# Altium PCB openmv2025.PcbDoc
Units mm, origin at the board's own origin, x right, y up, seen from the top; angles counter-clockwise.
Board outline 130 x 110.34 mm, 2 copper layers (Top Layer, Bottom Layer); 110 components, 172 nets, 438 pads, 182 vias.
Unrouted connection lines stored in the file: 1.
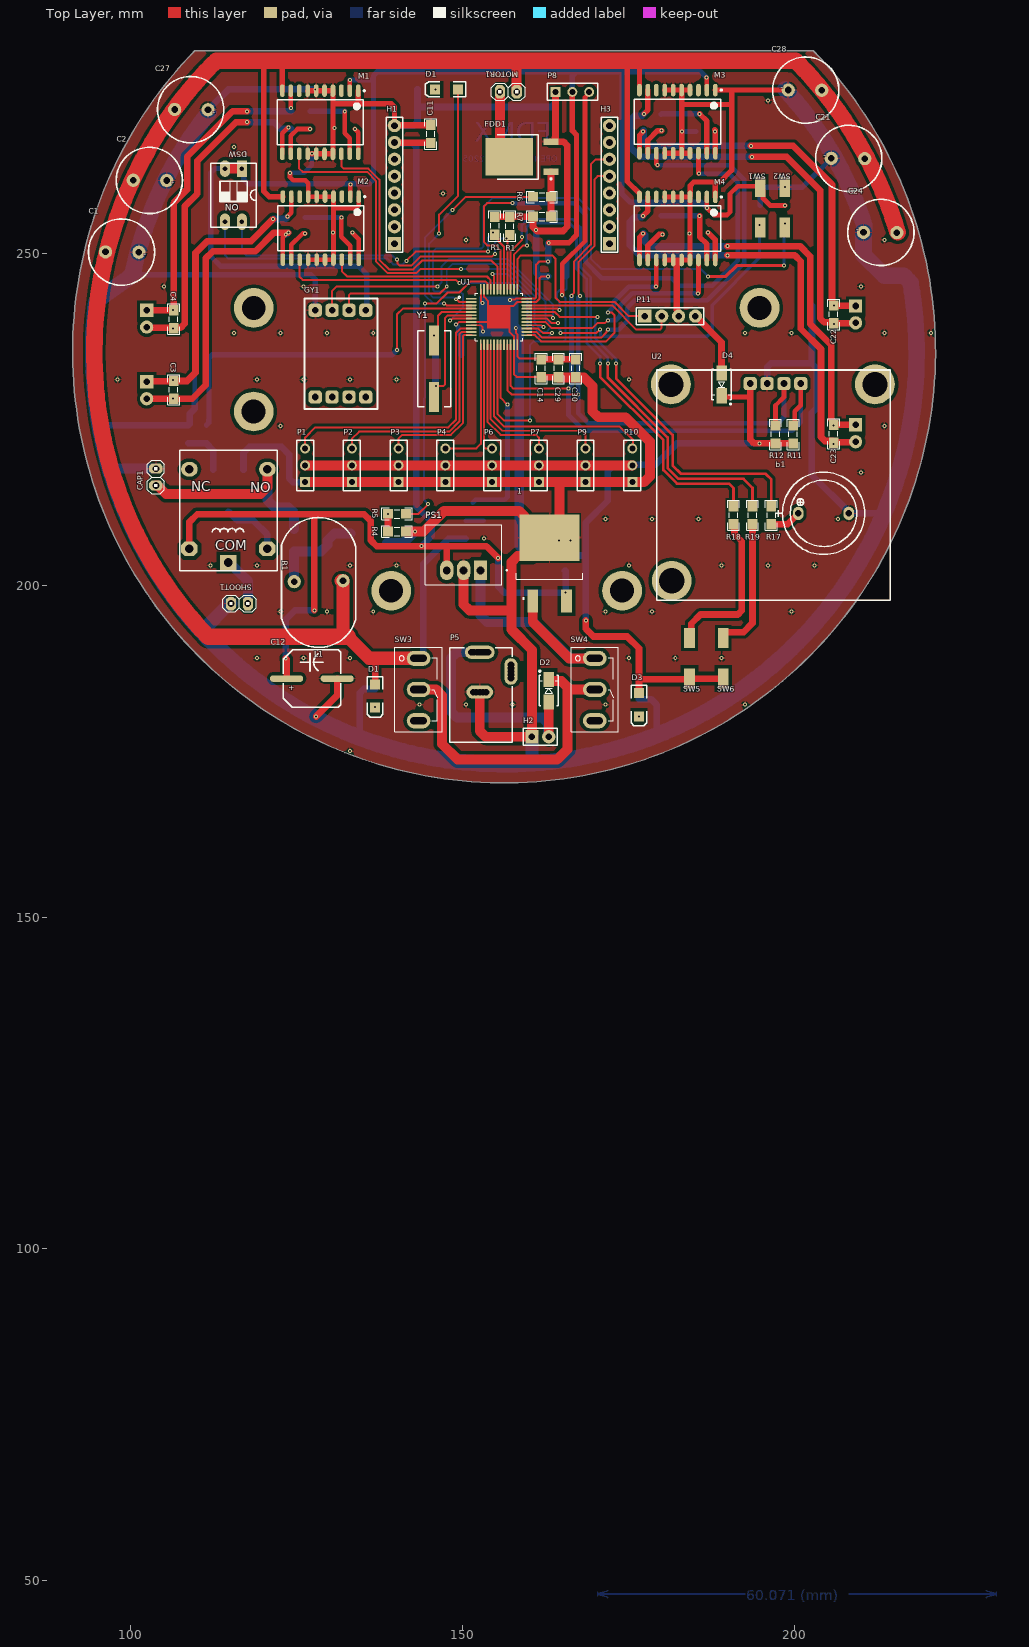
[diagram p0: Top Layer view]
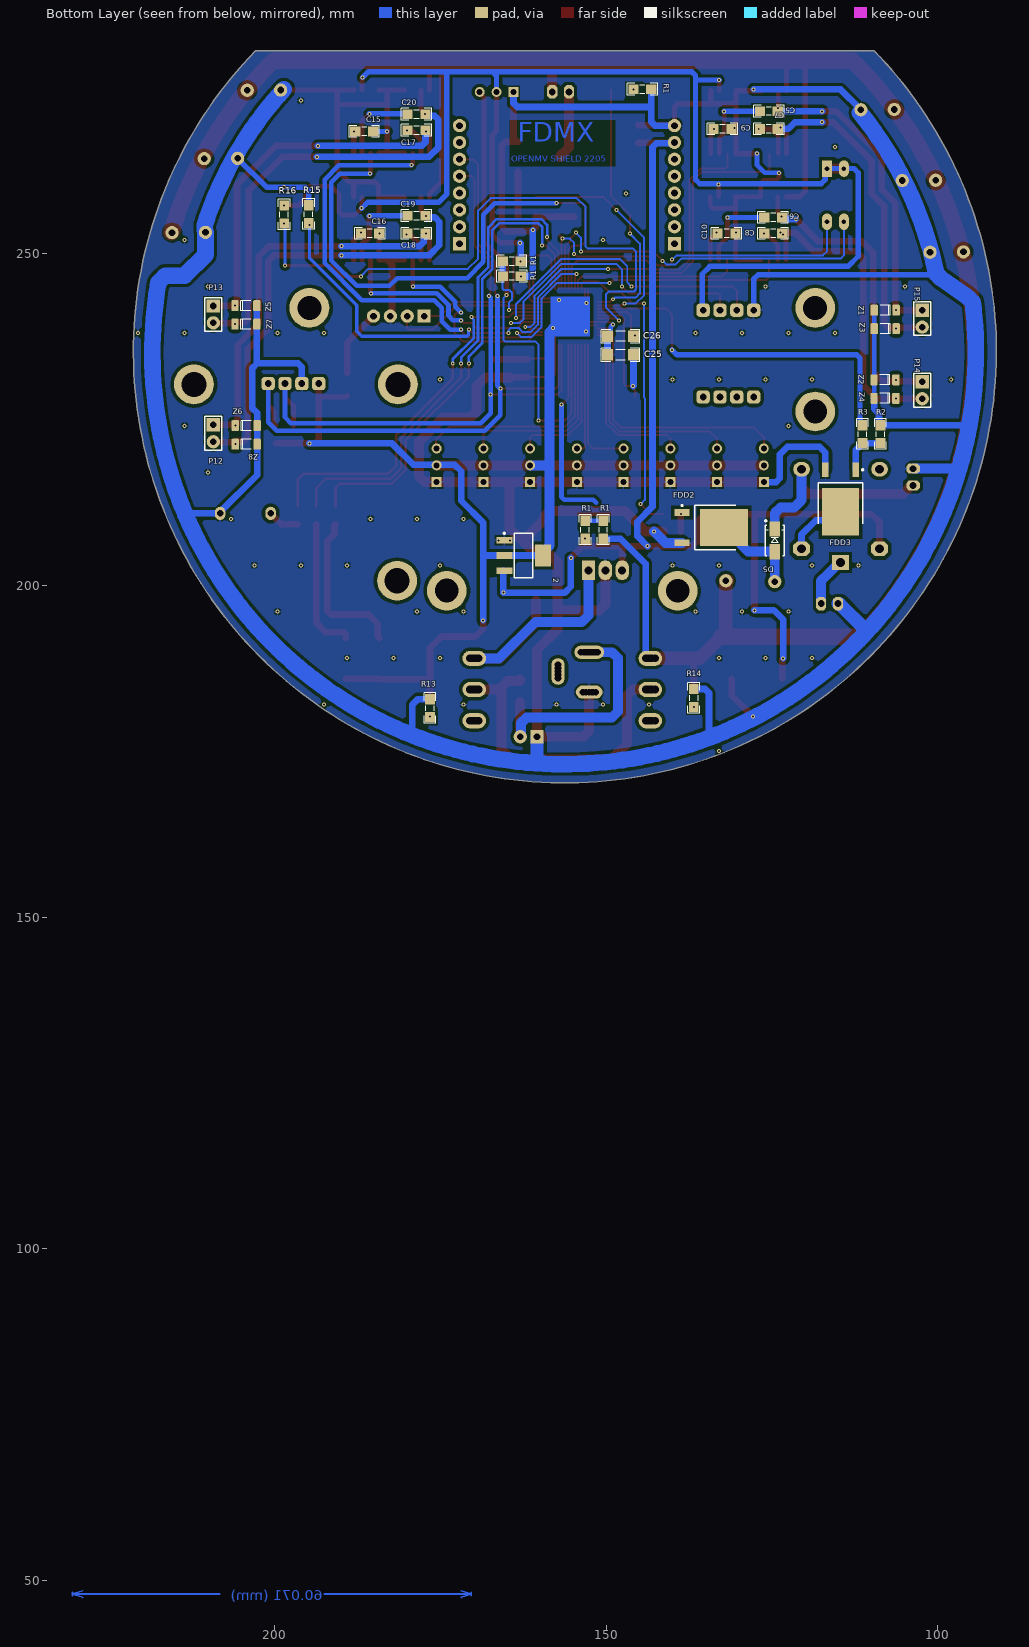
[diagram p1: Bottom Layer view, seen from below]
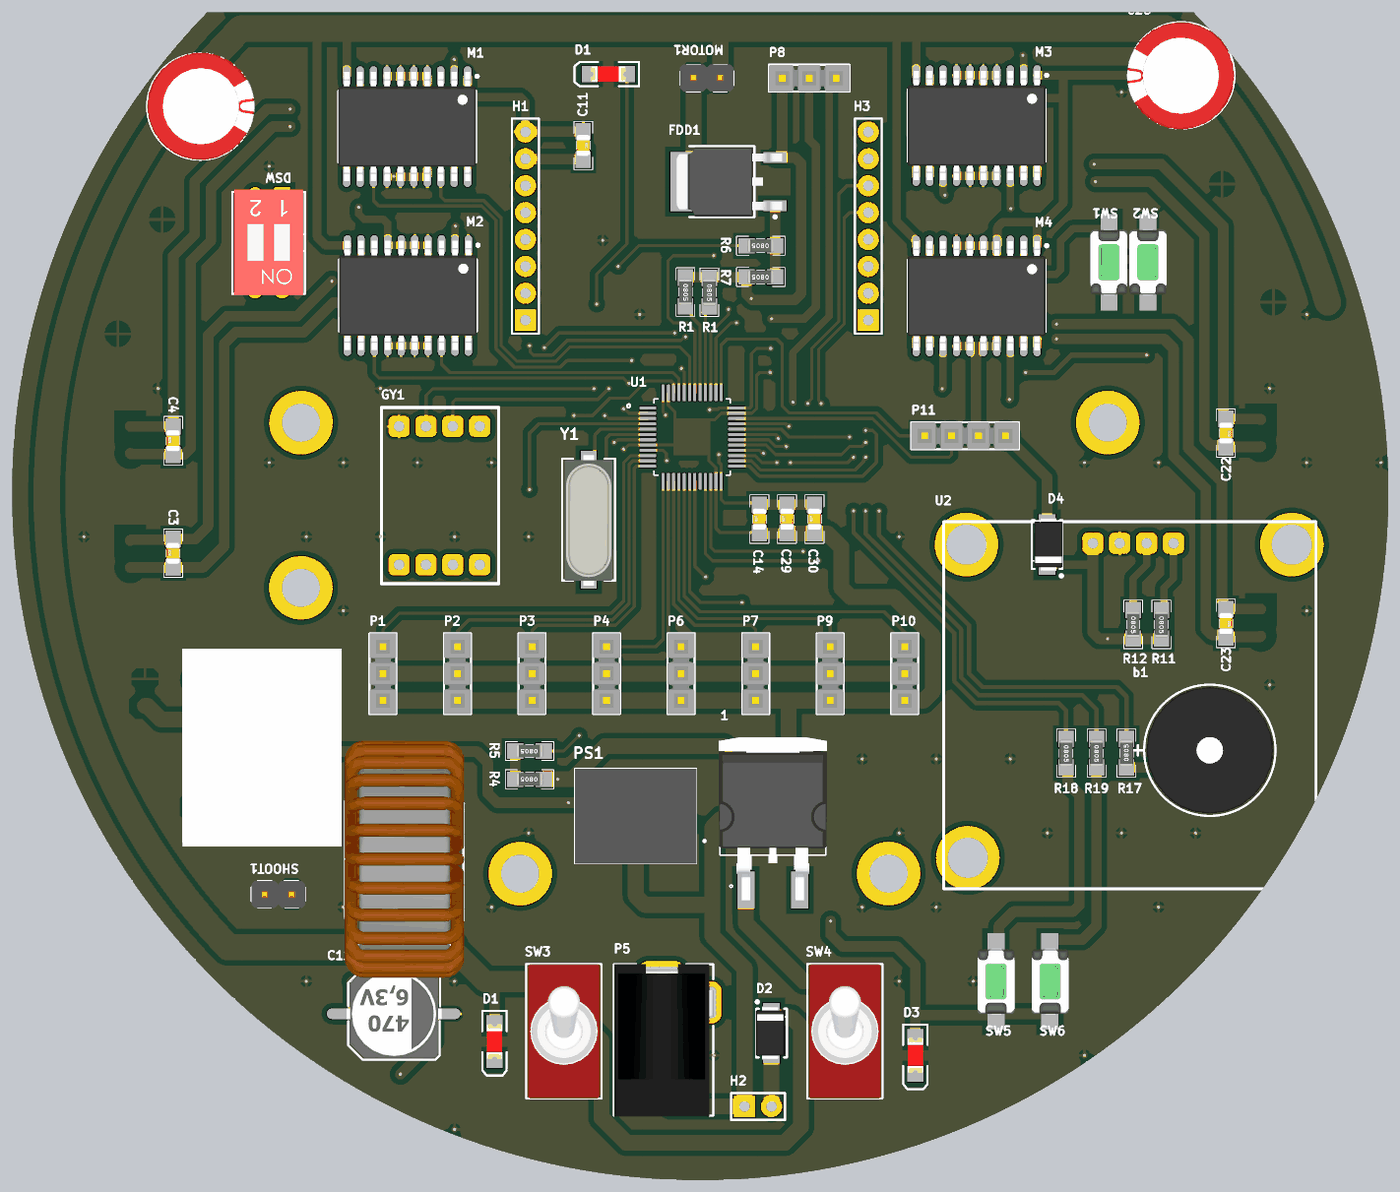
[diagram p2: 3D render of the assembled board from above, using the file's embedded part models]
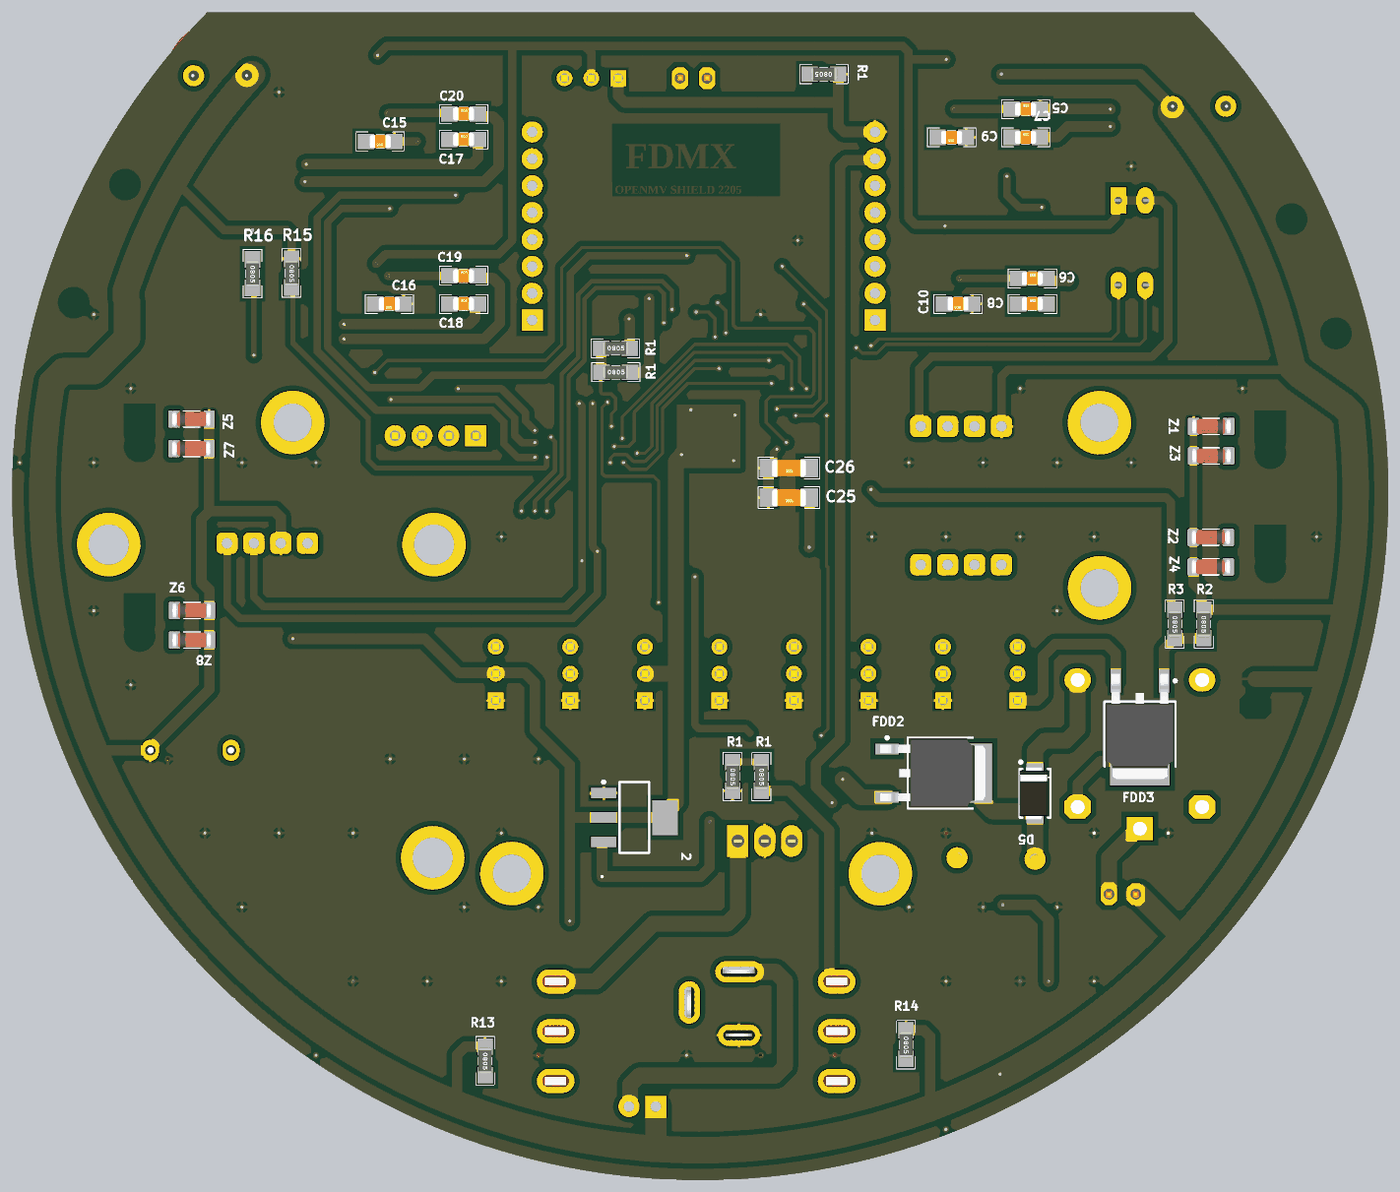
[diagram p3: 3D render of the assembled board from below, using the file's embedded part models]

## Layer stack, top to bottom
Top Solder: solder mask 0.0102, Solder Resist, Dk 3.5
Top Layer: signal copper 0.0356
Dielectric 1: dielectric 0.32, FR-4, Dk 4.8
Bottom Layer: signal copper 0.0356
Bottom Solder: solder mask 0.0102, Solder Resist, Dk 3.5

## Board outline
109.618,280.527 ccw(c156.21,235.204) 202.804,280.525 202.819,280.543

## Design rules (kind name [scope] priority, off if disabled: settings)
Clearance [All] p1: gap=0.25 ignorepadtopadclearanceinfootprint=FALSE except(0.2: Arc-Arc Arc-Track Arc-SMDPad Track-Track Track-SMDPad SMDPad-SMDPad; 0.5: Arc-Fill Arc-Poly Arc-Region Track-Fill Track-Poly Track-Region SMDPad-Fill SMDPad-Poly SMDPad-Region THPad-Fill THPad-Poly THPad-Region Via-Fill Via-Poly Via-Region Fill-Fill Fill-Poly Fill-Region Poly-Poly Poly-Region Region-Region)
ComponentClearance [All] p1 off: gap=0.254 collisioncheckmode=3 verticalgap=0.254 showdistances=FALSE
Height [All] p1 off: minheight=0 maxheight=25.4 prefheight=12.7
PolygonConnect [All] p1: connectstyle=Relief reliefconductorwidth=0.254 reliefentries=4 polygonreliefangle="90 Angle" airgapwidth=0.254
RoutingVias [All] p1: holewidth=0.3 width=0.6 viastyle="Through Hole" minholewidth=0.2 minwidth=0.2 maxholewidth=1 maxwidth=1
SolderMaskExpansion [All] p1: expansion=0.102 istentingtop=FALSE
Width [All] p1: maxlimit=10 minlimit=0.2 preferedwidth=0.8
28 further rules are at their usual default settings.

## Components (designator, comment, footprint, x,y, rotation, side; value= is the part's Value field where it differs from the comment)
1 "" VREG_L7805ACD2T 163.068,204.324 r90 top
2 "Comment" SOT223_N 162.433,204.47 r180 bottom
b1 "Comment" "BUZZER 7.62mm DC" 204.343,210.82 r0 top
C1 "Comment" "MY_CAP_POL 10MM" 98.679,250.19 r0 top
C2 "Comment" "MY_CAP_POL 10MM" 102.87,260.985 r0 top
C3 "Comment" CAPC3413X12N 106.426,229.442 r90 top
C4 "Comment" CAPC3413X12N 106.426,240.077 r90 top
C5 "Comment" CAPC3413X12N 125.476,271.399 r180 bottom
C6 "Comment" CAPC3413X12N 124.841,255.397 r180 bottom
C7 "Comment" CAPC3413X12N 125.476,268.732 r180 bottom
C8 "Comment" CAPC3413X12N 124.841,252.984 r180 bottom
C9 "Comment" CAPC3413X12N 132.461,268.732 r0 bottom
C10 "Comment" CAPC3413X12N 131.854,252.984 r0 bottom
C11 "Comment" CAPC3413X12N 145.161,267.97 r270 top
C12 "Comment" "CAP SMD 470uF" 127.254,185.928 r180 top
C14 "Comment" CAPC3413X12N 161.798,232.664 r90 top
C15 "Comment" CAPC3413X12N 186.436,268.351 r0 bottom
C16 "Comment" CAPC3413X12N 185.575,252.984 r0 bottom
C17 "Comment" CAPC3413X12N 178.562,268.531 r180 bottom
C18 "Comment" CAPC3413X12N 178.562,252.984 r180 bottom
C19 "Comment" CAPC3413X12N 178.562,255.651 r180 bottom
C20 "Comment" CAPC3413X12N 178.562,270.944 r180 bottom
C21 "Comment" "MY_CAP_POL 10MM" 208.026,264.287 r180 top
C22 "Comment" CAPC3413X12N 205.867,240.792 r270 top
C23 "Comment" CAPC3413X12N 205.867,222.805 r270 top
C24 "Comment" "MY_CAP_POL 10MM" 212.875,253.131 r180 top
C25 "0.1uF" CAPC4817X12N 147.828,234.696 r0 bottom (schematic designator C12)
C26 "0.1uF" CAPC4817X12N 147.828,237.49 r0 bottom (schematic designator C11)
C27 "Comment" "MY_CAP_POL 10MM" 109.093,271.653 r0 top
C28 "Comment" "MY_CAP_POL 10MM" 201.549,274.574 r180 top
C29 "Comment" CAPC3413X12N 164.401,232.664 r90 top
C30 "Comment" CAPC3413X12N 167.005,232.664 r90 top
CAP1 "Comment" My_1X02 103.759,217.551 r90 top
D1 "SMD 1206 LED" "LED 1206" 147.537,274.706 r180 top (schematic designator D2)
D1 "SMD 1206 LED" "LED 1206" 136.779,183.289 r270 top (schematic designator D2)
D2 "1n4007" DIOM4629X24N 162.941,184.101 r90 top (schematic designator D3)
D3 "SMD 1206 LED" "LED 1206" 176.53,181.991 r270 top (schematic designator D2)
D4 "1n4007" DIOM4629X24N 188.976,230.251 r270 top (schematic designator D5)
D5 "1n4007" DIOM4629X24N 124.587,206.756 r90 bottom (schematic designator D3)
DSW "Comment" "DIP Switch x2" 116.713,262.763 r180 top
FDD1 "Comment" TO252-3M 158.875,264.541 r180 top
FDD2 "Comment" TO252-3M 134.157,208.667 r180 bottom locked
FDD3 "Comment" TO252-3M 114.681,212.979 r270 bottom
GY1 "Comment" GY25 117.729,246.126 r270 top
H1 "Comment" HDR1X8 139.7,251.46 r90 top locked
H2 "Comment" HDR1X2 160.401,177.165 r0 top
H3 "Comment" HDR1X8 172.085,251.46 r90 top locked
L1 "Comment" "Inductor Iron" 124.587,200.533 r0 top locked
M1 "Comment" L6201 128.524,269.748 r270 top
M2 "Comment" L6201 128.599,253.789 r270 top
M3 "Comment" L6201 182.32,269.844 r270 top
M4 "Comment" L6201 182.32,253.746 r270 top
MOTOR1 "Comment" My_1X02 155.575,274.32 r180 top
P1 "Header 3" HDR1X3 126.238,215.519 r90 top (schematic designator P8)
P2 "Header 3" HDR1X3 133.279,215.519 r90 top (schematic designator P8)
P3 "Header 3" HDR1X3 140.321,215.519 r90 top (schematic designator P8)
P4 "Header 3" HDR1X3 147.362,215.519 r90 top (schematic designator P8)
P5 "Comment" "DC Power Jack 1" 151.743,189.896 r90 top
P6 "Header 3" HDR1X3 154.404,215.519 r90 top (schematic designator P9)
P7 "Header 3" HDR1X3 161.445,215.519 r90 top (schematic designator P10)
P8 "Header 3" HDR1X3 163.957,274.32 r0 top (schematic designator P13)
P9 "Header 3" HDR1X3 168.487,215.519 r90 top (schematic designator P11)
P10 "Header 3" HDR1X3 175.528,215.519 r90 top (schematic designator P12)
P11 "Header 4" HDR1X4 177.419,240.538 r0 top (schematic designator P6)
P12 "Header 2" HDR1X2 209.169,224.155 r270 bottom (schematic designator P4)
P13 "Header 2" HDR1X2 209.169,242.062 r270 bottom (schematic designator P4)
P14 "Header 2" HDR1X2 102.362,230.632 r270 bottom (schematic designator P4)
P15 "Header 2" HDR1X2 102.362,241.427 r270 bottom (schematic designator P4)
PS1 "K7805-2000R3" CONV_K7805-2000R3 150.114,204.597 r180 top
R1 "Comment" RESC3413X04N 154.813,254.127 r270 top
R1 "Comment" RESC3413X04N 157.066,254.105 r270 top
R1 "Comment" RESC3413X04N 164.189,246.54 r180 bottom
R1 "Comment" RESC3413X04N 164.211,248.793 r180 bottom
R1 "1K" RESC3413X04N 144.526,274.701 r0 bottom (schematic designator R22)
R1 "Comment" RESC3413X04N 150.429,208.348 r270 bottom
R1 "Comment" RESC3413X04N 153.155,208.348 r270 bottom
R1 "Comment" "Relay 18.85x15.35x15.70" 114.681,210.439 r0 top
R2 "Comment" RESC3413X04N 108.653,222.758 r270 bottom
R3 "Comment" RESC3413X04N 111.379,222.758 r270 bottom
R4 "Comment" RESC3413X04N 140.081,208.085 r180 top
R5 "Comment" RESC3413X04N 140.081,210.752 r180 top
R6 "Comment" RESC3413X04N 161.925,258.496 r180 top
R7 "Comment" RESC3413X04N 161.925,255.536 r180 top
R11 "1K" RESC3413X04N 199.771,222.711 r270 top (schematic designator R35)
R12 "1K" RESC3413X04N 197.102,222.711 r270 top (schematic designator R34)
R13 "1K" RESC3413X04N 176.53,181.483 r270 bottom (schematic designator R22)
R14 "1K" RESC3413X04N 136.779,183.007 r270 bottom (schematic designator R22)
R15 "1K" RESC3413X04N 194.818,255.905 r270 bottom (schematic designator R23)
R16 "1K" RESC3413X04N 198.501,255.848 r270 bottom (schematic designator R24)
R17 "1K" RESC3413X04N 196.469,210.544 r90 top (schematic designator R22)
R18 "Comment" RESC3413X04N 190.768,210.544 r270 top
R19 "Comment" RESC3413X04N 193.642,210.544 r270 top
SHOOT1 "Comment" My_1X02 117.602,197.231 r0 top
SW1 "Comment" SMD_ALPS_SKQMBBE010#1 194.818,256.921 r90 top
SW2 "Comment" SMD_ALPS_SKQMBBE010#1 198.501,256.921 r90 top
SW3 "Comment" "Switch SPDT - 500x270x1100x185 mil" 143.321,184.278 r0 top
SW4 "Comment" "Switch SPDT - 500x270x1100x185 mil" 169.864,184.278 r0 top
SW5 "Comment" SMD_ALPS_SKQMBBE010#1 184.15,188.976 r270 top
SW6 "Comment" SMD_ALPS_SKQMBBE010#2 189.26,188.976 r270 top
U1 "STM32F103C8T6" QFP50P900X900X160-48N 155.448,240.411 r0 top locked (schematic designator U5)
U2 "Comment" "SH1106 [ GND LEFT]" 173.99,194.437 r0 top locked
Y1 "12 MHz" "Crystal SMD" 145.669,232.605 r90 top
Z1 "Comment" "SOD80, LL-34" 107.95,241.427 r0 bottom
Z2 "Comment" "SOD80, LL-34" 107.993,230.938 r0 bottom
Z3 "Comment" "SOD80, LL-34" 107.95,238.638 r0 bottom
Z4 "Comment" "SOD80, LL-34" 107.993,228.149 r0 bottom
Z5 "Comment" "SOD80, LL-34" 204.259,242.114 r180 bottom
Z6 "Comment" "SOD80, LL-34" 204.216,224.028 r180 bottom
Z7 "Comment" "SOD80, LL-34" 204.259,239.325 r180 bottom
Z8 "Comment" "SOD80, LL-34" 204.216,221.239 r180 bottom

## Footprints (in the part's own frame and the unit in brackets; to place one, negate y for a bottom-side part, rotate by r counter-clockwise, add the part's x,y. Pads: shape width x height; smd on the part's side, far side on the other; paste and mask are expansions set on the pad)
"BUZZER 7.62mm DC" [mm] "BUZZER 12mm DIA , 7.62mm pitch DESIGNER ABBAS BASEREH"
  oval 1.6x2 hole 1: 1(-3.81,0) 2(3.81,0)
  silkscreen extent -7.3,-6.2 6.2,6.2, body extent -6,-6 6,6, height 9.5
"CAP SMD 470uF" [mm] "SMD CAP 470uF"
  oval 5x1 smd: 1(3.81,0) 2(-3.81,0)
  silkscreen extent -4.37,-4.34 4.29,4.34, body extent -4.53,-4.15 4.47,4.15, height 12
CAPC3413X12N [mm] "Chip Capacitor, 2-Leads, Body 3/40x1/30mm, IPC Medium Density-Design:Abbas Basereh"
  rect 1.55x1.45 smd: 1(-1.35,0) 2(1.35,0)
  silkscreen extent -2.29,-0.89 2.29,0.89, body extent -1,-0.62 1,0.63, height 0.78
CAPC4817X12N [mm] "Chip Capacitor, 2-Leads, Body 4/80x1/70mm, IPC Medium Density-Design:Abbas Basereh"
  rect 1.65x1.75 smd: 1(-1.95,0) 2(1.95,0)
  silkscreen extent -2.92,-1.02 2.92,1.02, body extent -1.6,-0.8 1.6,0.8, height 1
CONV_K7805-2000R3 [mm]
  rect 2x3 hole 1.2: 1(-2.54,2.35)
  oval 2x3 hole 1.2: 2(0,2.35) 3(2.54,2.35)
  silkscreen extent -6.6,-4.5 5.75,4.5, body extent -5.75,-4.5 5.75,4.5, height 17.5
"Crystal SMD" [mm] "DESIGNER ABBAS BASEREH"
  rect 4.5x1.5 smd: 1(-4.25,0) 2(4.25,0)
  silkscreen extent -5.75,-2.5 5.75,2.5, body extent -6.21,-2.25 6.09,2.25, height 5.18
"DC Power Jack 1" [mm] "Power Adaptor Jack"
  round 1.5 hole 1: 1(0,0.45) 1(0,0) 1(0,-0.4) 1(0,-1.2) 1(0,-1.6) 1(0,-2.05) 2(-6,-1.8) 2(-6,0.2) 2(-6,-1.3) 2(-6,-0.3) 3(-3.9,-5.5) 3(-3.4,-5.5) 3(-2.4,-5.5) 3(-1.9,-5.5)
  oval 2x4.5 hole 1: 1(0,-0.8)
  oval 2x4 hole 1: 2(-6,-0.8)
  oval 4x2 hole 1: 3(-2.9,-5.5)
  silkscreen extent -13.59,-5.7 0.7,3.7, body extent -13.68,-5.74 0.72,3.66, height 11.05
DIOM4629X24N [mm] "Molded Diode, 2-Leads, Body 4/60x2/90mm, IPC Medium Density-Design:Abbas Basereh"
  rect 2.3x1.6 smd: 1(-1.7,0) 2(1.7,0)
  silkscreen extent -2.3,-1.45 3.07,1.47, body extent -2.5,-1.22 2.5,1.48, height 2.2
"DIP Switch x2" [mm] "Switch DIP 2 way flat slide Thru-Hole-Design:Ali Hafizi"
  rect 1.5x2.5 hole 0.7: 1(0,0)
  oval 1.5x2.5 hole 0.7: 2(2.54,0) 3(2.54,8) 4(0,8)
  silkscreen extent -2.16,-0.82 4.71,8.83, body extent -1.98,-1.03 4.52,8.97, height 6.91
GY25 [mm]
  rrect50% 2x2 hole 1: 1(4.699,17.653) 2(4.699,15.113) 3(4.699,12.573) 4(4.699,10.033) 5(17.78,10.033) 6(17.78,12.573) 7(17.78,15.113) 8(17.78,17.653)
  silkscreen extent 2.92,8.38 19.56,19.43
HDR1X2 [mm] "Connector; Header; 2 Position"
  rect 2x2 hole 1: 1(0,0)
  round 2 hole 1: 2(2.54,0)
  silkscreen extent -1.27,-1.27 3.81,1.27
HDR1X3 [mm] "Connector; Header; 3 Position"
  rect 1.5x1.5 hole 0.9: 1(0,0)
  round 1.5 hole 0.9: 2(2.54,0) 3(5.08,0)
  silkscreen extent -1.27,-1.27 6.35,1.27, body extent -1.26,-1.27 6.36,1.27, height 8.38
HDR1X4 [mm] "Connector; Header; 4 Position"
  rect 2x2 hole 1: 1(0,0)
  round 2 hole 1: 2(2.54,0) 3(5.08,0) 4(7.62,0)
  silkscreen extent -1.27,-1.27 8.89,1.27, body extent -1.27,-1.28 8.89,1.26, height 8.38
HDR1X8 [mm] "Connector; Header; 8 Position"
  rect 2x2 hole 1: 1(0,0)
  round 2 hole 1: 2(2.54,0) 3(5.08,0) 4(7.62,0) 5(10.16,0) 6(12.7,0) 7(15.24,0) 8(17.78,0)
  silkscreen extent -1.27,-1.27 19.05,1.27
"Inductor Iron" [mm]
  round 2 hole 1: 1(0,0) 2(7.366,0.127)
  silkscreen extent -1.91,-9.91 9.27,9.65, body extent -1.98,-11.21 9.34,11.21, height 28.03
L6201 [mm] "SOP, 20-Leads, Body 12.80x7.50mm, Pitch 1.27mm, IPC Medium Density"
  oval 1.9x0.7 smd: 1(-4.75,5.715) 2(-4.75,4.445) 3(-4.75,3.175) 4(-4.75,1.905) 5(-4.75,0.635) 6(-4.75,-0.635) 7(-4.75,-1.905) 8(-4.75,-3.175) 9(-4.75,-4.445) 10(-4.75,-5.715) 11(4.75,-5.715) 12(4.75,-4.445) 13(4.75,-3.175) 14(4.75,-1.905) 15(4.75,-0.635) 16(4.75,0.635) 17(4.75,1.905) 18(4.75,3.175) 19(4.75,4.445) 20(4.75,5.715)
  silkscreen extent -4.87,-6.5 3.4,6.74, body extent -5.16,-6.5 5.16,6.5, height 2.5
"LED 1206" [mm]
  rect 1.5x1.5 smd: 1(-1.75,0) 2(1.75,0)
  silkscreen extent -2.9,-1.15 3.2,1.15, body extent -1.65,-0.72 1.65,0.73, height 1.36
My_1X02 [mil]
  oct 60x80 hole 40: 1(-100,0) 2(0,0)
  silkscreen extent -150,-50 50,50, body extent -149,-51 51,49, height 234
"MY_CAP_POL 10MM" [mm]
  round 2 hole 1: +(-2.517,0.02) -(2.517,-0.02)
  silkscreen extent -5.09,-5 4.89,4.98, body extent -5.13,-5.07 5.03,5.09, height 10.16
QFP50P900X900X160-48N [mm]
  rrect50% 1.56x0.28 smd: 1(-4.18,2.75) 2(-4.18,2.25) 3(-4.18,1.75) 4(-4.18,1.25) 5(-4.18,0.75) 6(-4.18,0.25) 7(-4.18,-0.25) 8(-4.18,-0.75) 9(-4.18,-1.25) 10(-4.18,-1.75) 11(-4.18,-2.25) 12(-4.18,-2.75) 25(4.18,-2.75) 26(4.18,-2.25) 27(4.18,-1.75) 28(4.18,-1.25) 29(4.18,-0.75) 30(4.18,-0.25) 31(4.18,0.25) 32(4.18,0.75) 33(4.18,1.25) 34(4.18,1.75) 35(4.18,2.25) 36(4.18,2.75)
  rrect50% 0.28x1.56 smd: 13(-2.75,-4.18) 14(-2.25,-4.18) 15(-1.75,-4.18) 16(-1.25,-4.18) 17(-0.75,-4.18) 18(-0.25,-4.18) 19(0.25,-4.18) 20(0.75,-4.18) 21(1.25,-4.18) 22(1.75,-4.18) 23(2.25,-4.18) 24(2.75,-4.18) 37(2.75,4.18) 38(2.25,4.18) 39(1.75,4.18) 40(1.25,4.18) 41(0.75,4.18) 42(0.25,4.18) 43(-0.25,4.18) 44(-0.75,4.18) 45(-1.25,4.18) 46(-1.75,4.18) 47(-2.25,4.18) 48(-2.75,4.18)
  silkscreen extent -6.15,-3.6 3.6,3.6
"Relay 18.85x15.35x15.70" [mm]
  rect 2.5x2.2 hole 1.3: 1(0,-7.025)
  oval 2.5x2.2 hole 1.3: 2(-5.875,7.025) 3(5.875,7.025)
  oct 2.5x2.2 hole 1.3: 4(-5.875,-4.975) 5(5.875,-4.975)
  silkscreen extent -7.33,-8.27 7.33,9.88, body extent -7.37,-8.72 7.63,9.98, height 15.7
RESC3413X04N [mm] "Chip Resistor, 2-Leads, Body 3/40x1/30mm, IPC Medium Density-Design:Abbas Basereh"
  rect 1.55x1.45 smd: 1(-1.35,0) 2(1.35,0)
  silkscreen extent -2.29,-0.89 2.29,0.89, body extent -1.25,-0.62 1.25,0.62, height 0.79
"SH1106 [ GND LEFT]" [mm]
  rrect50% 2x2 hole 1: 1(21.844,35.941) 2(19.304,35.941) 3(24.384,35.941) 4(26.924,35.941)
  round 6 hole 3.8: 139(38.1,35.814) 140(7.366,35.814) 141(7.493,6.223)
  silkscreen extent 5.21,3.3 40.39,37.97, body extent 5.11,3.21 41.11,37.21, height 9.6
SMD_ALPS_SKQMBBE010#1 [mm] "Vertical 6.0X3.5 mm Compact Type (SurfaceMount) SKQM Series ; Height 5.0 mm ; 50,000 Cycles ; 1.57N Force"
  rect 3x1.6 smd mask-1.27: 1(-3.048,0) 2(3.048,0)
  body extent -3.15,-1.75 3.15,1.75, height 5.03
SMD_ALPS_SKQMBBE010#2 [mm] "Vertical 6.0X3.5 mm Compact Type (SurfaceMount) SKQM Series ; Height 5.0 mm ; 50,000 Cycles ; 1.57N Force"
  rect 3x1.6 smd mask-1.27: 1(-3.048,-0.03) 2(3.048,-0.03)
  body extent -3.15,-1.75 3.15,1.75, height 5.03
"SOD80, LL-34" [mm] "Diode, MiniMELF"
  round 0.5 on Mech15: 0(0,0)
  rrect25% 1.1x1.65 smd: 1(1.65,0) 2(-1.65,0)
  silkscreen extent -0.76,-0.76 0.76,0.76, body extent -1.88,-0.8 1.82,0.8, height 1.6
SOT223_N [mm] "SOT223, 4-Leads, Body 6.5x3.5mm, Pitch 2.3mm, Lead Span 7mm, IPC Medium Density"
  rect 2.4x1 smd: 1(-2.9,2.3) 2(-2.9,0) 3(-2.9,-2.3)
  rect 2.4x3.3 smd: 4(2.9,0)
  silkscreen extent -3.03,-3.35 1.4,3.47, body extent -1.85,-3.35 1.85,3.35, height 1.7
"Switch SPDT - 500x270x1100x185 mil" [mil]
  round 40 hole 45: 1(-27.56,-185.04) 1(-11.81,-185.04) 1(11.81,-185.04) 1(27.56,-185.04) 2(-27.56,0) 2(-11.81,0) 2(11.81,0) 2(27.56,0) 3(-27.56,185.04) 3(-11.81,185.04) 3(11.81,185.04) 3(27.56,185.04)
  oval 140x90 hole 45: 1(0,-185) 2(0,0) 3(0,185)
  silkscreen extent -140,-250 140,250, body extent -134,-250 136,250, height 1127
TO252-3M [mm] "D-PAK, 3-Pads, Body 6.2x6.7mm (max), IPC Low Density"
  rect 2.2x1 smd: 1(-4.4,2.28) 3(-4.4,-2.28)
  rect 7.2x5.6 smd: 4(1.9,0)
  silkscreen extent -4.52,-3.35 3.7,3.45, body extent -5.06,-3.27 4.88,3.27, height 2.39
VREG_L7805ACD2T [mm]
  rect 3.5x1.6 smd: 1(-6.7,2.54) 3(-6.7,-2.54)
  rect 7x9 smd paste-7: 4(2.813,0)
  silkscreen extent -6.48,-5 -2.51,5, body extent -7.71,-5.1 7.71,5.1, height 4.6

## Part data
C25 C26: library part "CAP SMD 1206", "CAP 1206", Data=16-12-2016, Desc.="CAP SMD 1206", Designer="Abbas Basereh"
D1 D1 D3: library part "LED SMD 1206"
D2 D4 D5: library part "1n4007 SMD M7", "Standard Rectifiers", Manufacturer="DC COMPONENTS", Data=16-12-2016, Designer="Abbas Basereh", Link=http://www.tme.eu/en/details/m7/smd-universal-diodes/dc-components/, Part. No=M7
P1 P2 P3 P4 P6 P7 P8 P9 P10: "Header, 3-Pin", LatestRevisionDate=17-Jul-2002, LatestRevisionNote="Re-released for DXP Platform.", Publisher="Altium Limited"
P11: "Header, 4-Pin", LatestRevisionDate=17-Jul-2002, LatestRevisionNote="Re-released for DXP Platform.", Publisher="Altium Limited"
P12 P13 P14 P15: "Header, 2-Pin", LatestRevisionDate=17-Jul-2002, LatestRevisionNote="Re-released for DXP Platform.", Publisher="Altium Limited"
PS1: "éžçµ¶ç¸åž‹ PoL ãƒ¢ã‚¸ãƒ¥ãƒ¼ãƒ« DC DC ã‚³ãƒ³ãƒãƒ¼ã‚¿ 1 å‡ºåŠ› 5V 2A 8V - 36V å…¥åŠ›", Package="SIP-3-3 MORNSUN", Check_prices=https://www.snapeda.com/parts/K7805-2000R3/MORNSUN/view-part/5366399/?ref=eda, Digi-Key_Part_Number=2725-K7805-2000R3-ND, MF="Mornsun America, LLC", MP=K7805-2000R3, SnapEDA_Link=https://www.snapeda.com/parts/K7805-2000R3/MORNSUN/view-part/5366399/?ref=snap
R1 R11 R12 R13 R14 R15 R16 R17: library part "RES 0805 0.125W", "RES 0805", Data=16-12-2016, Desc.="RES SMD 0805", Designer="Abbas Basereh"
U1: "Mainstream Performance line, ARM Cortex-M3 MCU with 64 Kbytes Flash, 72 MHz CPU, motor control, USB and CAN", Package=None, Availability=Unavailable, MP=STM32F103C8T6, Price=None
Y1: library part XTAL, "XTAL Crystal", ComponentLink1Description=Datasheet, ComponentLink2Description=Reference, Design Date=2017-1-3, Designer="ABBAS BASEREH", Mounting Technology="Surface Mount\Through-Hole", Status=Unreleased

## Free pads (board coordinates)
  round 6 hole 3.6 mask+0.1: 2(118.487,226.167) 2(118.499,241.771) 2(139.2,199.158) 2(174,199.174) 2(194.704,241.784)